# KiCad board 32X_VA2.kicad_pcb (continued)
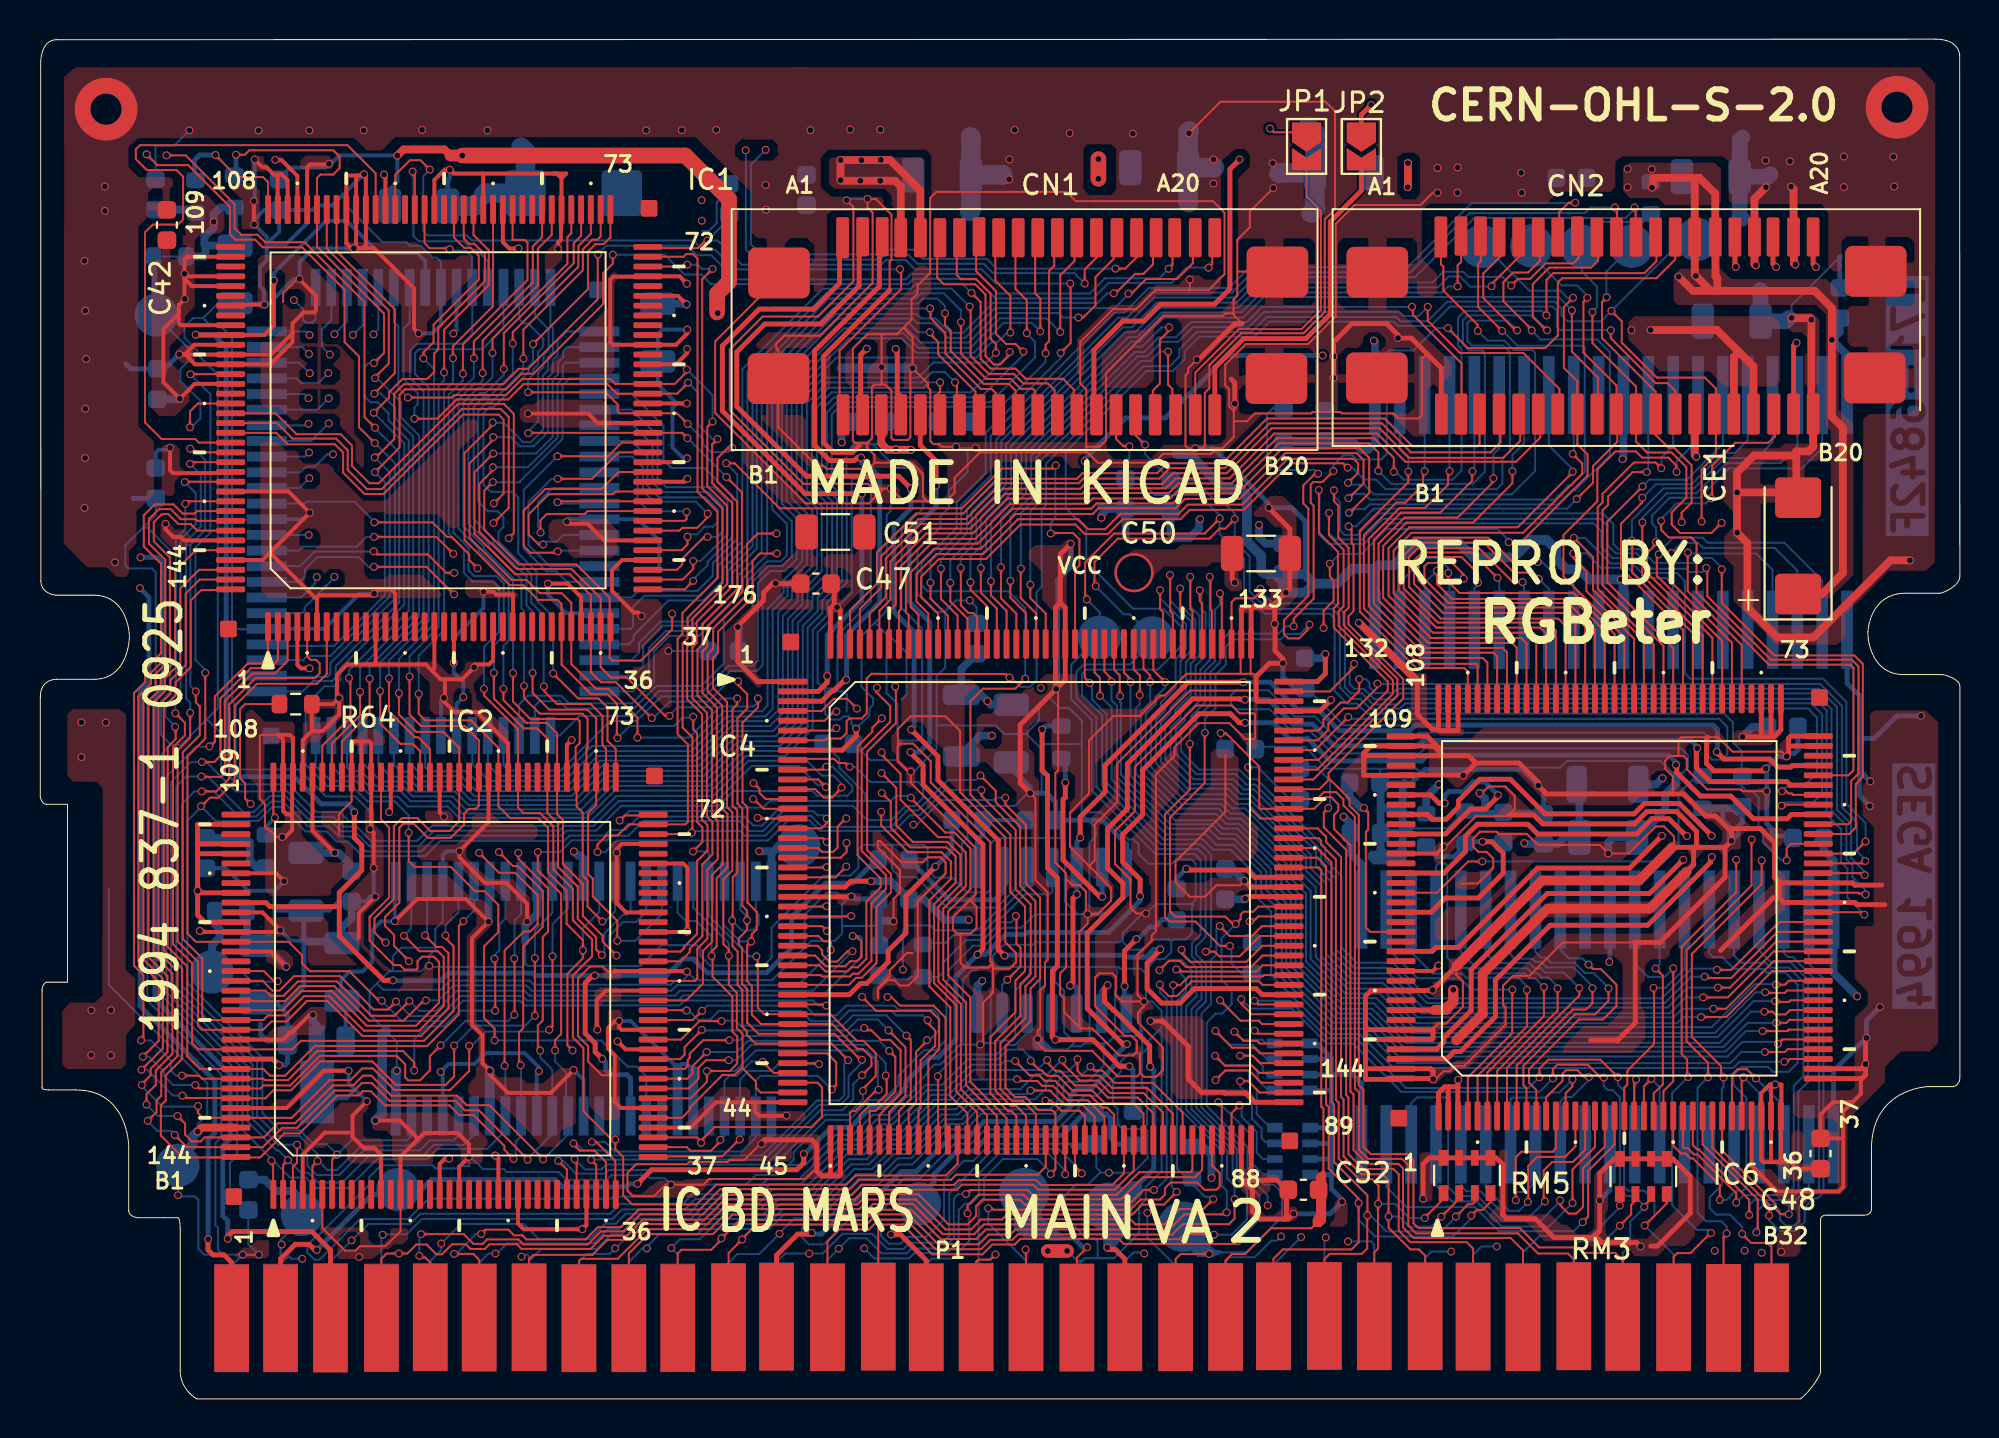
[diagram p0: board, top side]
## Routing (per net, layer and track width the routed paths; a pad name or vN(x,y) marks a point on that pad's centre or on a via; arc(x,y) is an arc through that point) (continued)
Net-(IC4B-AD11): length 50.9
  Top w0.1: IC4.146 55.45,37.12 55.78,36.79 v1(55.78,36.64) ; v1(88.78,19.22) 89.3,19.22 89.45,19.37 IC6.43
  Bottom w0.1: v1(88.78,19.22) 87.32,19.22 86.09,17.99 69.73,17.99 68.03,19.69 66.42,19.69 63.98,22.13 63.98,25.49 63.21,26.26 63.21,27.19 61.25,29.15 60.5,29.15 60.08,29.57 58.06,29.57 55.78,31.85 v1(55.78,36.64)
Net-(IC4B-AD12): length 51.3
  Top w0.1: IC6.42 89.42,18.87 89.42,18.87 89.35,18.8 v1(88.08,18.8) ; v1(55.25,35.92) 55.23,35.94 55.23,36.98 54.95,37.27 IC4.147
  Bottom w0.1: v1(55.25,35.92) 55.25,35.6 55.29,35.56 55.29,31.91 57.83,29.37 59.93,29.37 60.42,28.88 61.15,28.88 62.95,27.08 62.95,26.14 63.74,25.35 63.74,22 66.3,19.44 67.93,19.44 69.62,17.75 86.19,17.75 87.24,18.8 v1(88.08,18.8)
Net-(IC4B-AD13): length 51.8
  Top w0.1: IC6.41 89.09,18.37 v1(88.87,18.15) ; v1(54.81,36.65) 54.81,36.81 54.45,37.17 IC4.148
  Bottom w0.1: v1(88.87,18.15) 88.77,18.25 87.05,18.25 86.3,17.5 69.46,17.5 67.73,19.23 66.14,19.23 63.51,21.86 63.51,25.22 62.72,26.01 62.72,26.99 61.08,28.63 60.28,28.63 59.76,29.15 57.71,29.15 55.09,31.77 55.09,35.43 54.81,35.71 v1(54.81,36.65)
Net-(IC4B-AD14): length 52.2
  Top w0.1: IC6.40 89.36,17.87 89.22,17.73 v1(88.2,17.73) ; IC4.149 53.95,37.12 54.22,36.85 v1(54.22,35.93)
  Bottom w0.1: v1(54.22,35.93) 54.82,35.33 54.82,31.65 57.62,28.85 59.64,28.85 60.17,28.32 61.05,28.32 62.45,26.92 62.45,25.9 63.21,25.14 63.21,21.82 66.11,18.92 67.67,18.92 69.43,17.16 86.43,17.16 87,17.73 v1(88.2,17.73)
Net-(IC4B-AD15): length 52.7
  Top w0.1: v1(53.7,36.59) 53.45,36.84 IC4.150 ; IC6.39 89.49,17.37 89.35,17.23 v1(89.2,17.23)
  Bottom w0.1: v1(53.7,36.59) 53.81,36.48 53.81,35.75 54.56,35 54.56,31.5 57.47,28.59 59.48,28.59 60,28.07 60.9,28.07 62.19,26.78 62.19,25.68 62.96,24.91 62.96,21.66 65.97,18.65 67.49,18.65 69.23,16.91 86.59,16.91 86.91,17.23 v1(89.2,17.23)
Net-(IC4B-C23): length 43.2
  Top w0.1: IC6.56 92.99,25.87 93.04,25.82 93.31,25.82 v1(93.35,25.78) ; IC4.131 65.97,36.16 67.21,37.4 v1(67.21,37.57)
  Bottom w0.1: v1(93.35,25.78) 93.31,25.82 93.31,25.83 93.32,25.84 93.32,26.03 92.68,26.67 92.68,27.26 92.37,27.57 92.37,29.3 91.61,30.06 91.61,35.26 90.81,36.06 69.56,36.06 69.26,35.76 68.24,35.76 67.71,36.29 67.22,36.29 66.98,36.53 66.98,37.34 v1(67.21,37.57)
Net-(IC4B-DIR): length 41.1
  Top w0.1: v1(93.33,27.5) 93.21,27.37 IC6.59 ; IC4.126 65.35,33.66 65.89,34.2 65.89,34.5 66.68,35.29 67.33,35.29 68.4,36.36 v1(68.4,36.56)
  Bottom w0.1: v1(68.4,36.56) 68.42,36.54 91.03,36.54 92.14,35.43 92.14,30.24 92.91,29.47 92.91,27.99 93.33,27.56 v1(93.33,27.5)
Net-(IC4B-HINT): length 64.4
  Top w0.1: v1(86,42.4) 86,40.69 88.69,38 92.77,38 93.21,37.56 93.21,31.79 92.85,31.43 92.85,29.21 92.51,28.87 IC6.62 ; v1(66.18,46.44) 66.18,45.88 66.4,45.66 66.4,44.03 66.93,43.5 66.93,40.44 66.68,40.19 66.68,39.54 69.42,36.8 69.42,35.96 65.12,31.66 IC4.122
  Bottom w0.1: v1(66.18,46.44) 66.18,46.14 66.49,45.83 66.49,44.38 66.71,44.16 67.38,44.16 68.48,45.26 79.92,45.26 80.46,44.72 80.46,43.69 80.72,43.43 81.85,43.43 82.55,42.73 84.86,42.73 85.11,42.98 85.5,42.98 86,42.48 v1(86,42.4)
Net-(IC4B-RW): length 42.1
  Top w0.1: IC6.58 93.2,26.87 v1(93.31,26.77) ; IC4.127 65.38,34.16 65.64,34.42 65.64,34.71 66.52,35.59 66.87,35.59 67.47,36.19 v1(67.47,36.79)
  Bottom w0.1: v1(67.47,36.79) 67.81,36.79 68,36.6 68,36.36 68.28,36.08 69.19,36.08 69.41,36.3 90.95,36.3 91.89,35.36 91.89,30.12 92.61,29.4 92.61,27.64 93.31,26.94 v1(93.31,26.77)
Net-(IC4B-VACK): length 65.5
  Top w0.1: IC6.60 92.73,27.87 v1(93.35,28.49) ; v1(65.41,46.46) 65.41,44.27 66.38,43.3 66.38,40.62 66.17,40.41 66.17,39.42 68.93,36.66 68.93,36.2 65.39,32.66 IC4.124
  Bottom w0.1: v1(65.41,46.46) 65.44,46.43 65.44,44.15 65.89,43.7 67.72,43.7 68.77,44.75 79.44,44.75 79.85,44.34 79.85,43.54 80.42,42.97 81.55,42.97 82.31,42.21 83.71,42.21 84.12,41.8 84.12,37.07 84.38,36.81 91.18,36.81 92.37,35.62 92.37,30.42 93.35,29.44 v1(93.35,28.49)
Net-(IC4B-VINT): length 60.9
  Top w0.1: IC6.63 92.47,29.37 92.46,29.38 92.61,29.52 92.61,31.58 92.99,31.96 92.99,37.43 92.64,37.78 88.51,37.78 85.26,41.03 85.26,42.42 v1(85.21,42.47) ; v1(65.93,45.28) 65.92,45.27 65.92,44.15 66.67,43.4 66.67,40.51 66.42,40.26 66.42,39.51 69.19,36.74 69.19,36.04 65.31,32.16 IC4.123
  Bottom w0.1: v1(85.21,42.47) 85.01,42.27 84.33,42.27 84.17,42.43 82.43,42.43 81.64,43.22 80.58,43.22 80.15,43.65 80.15,44.63 79.8,44.98 68.68,44.98 67.63,43.93 66.24,43.93 65.93,44.24 v1(65.93,45.28)
Net-(IC6-COMP): length 9.8
  Top w0.1: v1(67.71,30.21) 67.93,29.99 67.93,29.1 67.81,28.98 67.81,24.09 68.03,23.87 IC6.129
  Bottom w0.4: v1(67.71,30.21) 67.53,30.21 66.98,30.77 C32.1
Net-(IC6-EA0): length 20.5
  Top w0.1: v1(81.95,46.64) 80.15,44.84 80.15,41.74 83.52,38.37 IC6.84
  Bottom w0.1: v1(81.95,46.64) 82.29,46.98 84.22,46.98 86.05,48.81 IC8.15
Net-(IC6-EA1): length 21
  Top w0.1: IC6.83 84.02,39.29 80.85,42.46 80.85,44.73 81.94,45.82 v1(81.94,46.06)
  Bottom w0.1: IC8.16 87.33,49 86.68,48.35 86.06,48.35 84.46,46.75 82.63,46.75 v1(81.94,46.06)
Net-(IC6-EA2): length 21.7
  Top w0.1: v1(81.41,43.87) 81.41,43.74 81.42,43.73 81.42,42.24 84.52,39.14 IC6.82
  Bottom w0.1: 88.6,51.31 88.6,48.89 87.79,48.09 86.14,48.09 84.59,46.54 83.03,46.54 81.41,44.92 v1(81.41,43.87)
Net-(IC6-EA3): length 22.6
  Top w0.1: IC6.81 85.02,39.01 81.94,42.09 v1(81.94,44.8)
  Bottom w0.1: IC8.18 89.86,48.7 89,47.83 86.24,47.83 84.7,46.29 83.19,46.29 81.94,45.04 v1(81.94,44.8)
Net-(IC6-EA4): length 23.9
  Top w0.1: IC6.80 85.52,38.9 82.18,42.24 82.18,43.22 82.64,43.68 v1(82.64,43.8)
  Bottom w0.1: 91.14,51.31 91.14,48.59 90.1,47.56 86.37,47.56 84.87,46.06 83.34,46.06 82.43,45.15 82.43,44.75 82.64,44.54 v1(82.64,43.8)
Net-(IC6-EA5): length 21
  Top w0.1: v1(82.78,43.17) 82.68,43.07 82.68,42.08 86.02,38.74 IC6.79
  Bottom w0.1: v1(82.78,43.17) 82.78,43.28 83.52,44.02 85.02,44.02 85.28,43.76 89.2,43.76 91.14,41.83 91.14,39.31
Net-(IC6-EA6): length 19
  Top w0.1: IC6.78 86.52,38.65 83.42,41.75 v1(83.42,43.23)
  Bottom w0.1: v1(83.42,43.23) 83.94,43.75 84.79,43.75 85.04,43.5 88.7,43.5 89.86,42.34 IC8.23
Net-(IC6-EA7): length 16.4
  Top w0.1: IC6.77 87.02,38.53 84.26,41.29 84.26,43.25 v1(84.27,43.26)
  Bottom w0.1: 88.6,39.31 88.6,42.38 87.76,43.21 84.32,43.21 v1(84.27,43.26)
Net-(IC6-IREF): length 19.4
  Top w0.1: IC6.125 71.44,25.87 73.04,27.47 v1(73.76,27.47)
  Bottom w0.1: 84.94,31.76 84.62,31.76 83.79,30.93 83.79,28.21 83.05,27.47 v1(73.76,27.47)
Net-(IC6-OA0): length 28.3
  Top w0.1: IC6.25 83.52,12.94 83.92,12.54 84.15,12.54 84.4,12.29 84.53,12.29 85.9,10.92 v1(85.9,10.17)
  Bottom w0.1: v1(85.9,10.17) 86.25,10.17 86.72,10.64 87.08,10.64 87.26,10.82 87.26,15.38 86.6,16.04 86.6,16.56 87.01,16.97 88.36,16.97 88.61,16.72 89.42,16.72 89.88,17.18 89.88,21.16 89.25,21.79 88.29,21.79 88.1,21.98 86.62,21.98 86.02,22.58 85.54,22.58 85.36,22.75 IC7.15
Net-(IC6-OA1): length 26.2
  Top w0.1: v1(86.74,10.03) 86.74,10.51 84.76,12.49 84.58,12.49 84.26,12.81 84.09,12.81 84.02,12.88 IC6.26
  Bottom w0.1: v1(86.74,10.03) 87.13,10.42 89.29,10.42 89.68,10.81 89.68,16 90.17,16.49 90.17,21.31 89.44,22.04 88.5,22.04 88.25,22.29 87,22.29 86.64,22.66 IC7.16
Net-(IC6-OA2): length 25.8
  Top w0.1: IC6.27 84.52,12.97 84.73,12.76 84.82,12.76 87.4,10.18 v1(87.4,9.39)
  Bottom w0.1: IC7.17 87.91,22.92 88.52,22.31 89.52,22.31 90.41,21.42 90.41,16.2 89.92,15.71 89.92,10.65 89.43,10.16 87.66,10.16 87.43,9.93 87.43,9.42 v1(87.4,9.39)
Net-(IC6-OA3): length 28.6
  Top w0.1: IC6.28 85.02,13.01 87.84,10.19 87.84,8.58 v1(87.77,8.51)
  Bottom w0.1: v1(87.77,8.51) 87.84,8.58 87.84,9.63 88.12,9.91 88.69,9.91 88.97,9.63 88.97,9.16 89.27,8.86 89.71,8.86 89.96,9.11 89.96,9.87 90.66,10.57 90.83,10.57 90.97,10.71 90.97,21.24 89.63,22.58 89.39,22.58 89.17,22.8 IC7.18
Net-(IC6-OA4): length 25.6
  Top w0.1: IC6.29 85.52,12.83 88.42,9.93 v1(88.42,9.37)
  Bottom w0.1: v1(88.42,9.37) 88.42,9.13 88.97,8.58 89.76,8.58 90.24,9.06 90.24,9.79 90.25,9.79 90.71,10.25 90.91,10.25 91.2,10.54 91.2,21.49 90.45,22.25 IC7.19
Net-(IC6-OA5): length 10.7
  Top w0.1: v1(89.43,9.44) 89.01,9.44 88.75,9.7 88.75,9.96 86.02,12.69 IC6.30
  Bottom w0.1: v1(89.43,9.44) 89.43,9.81 90.45,10.83 IC7.22
Net-(IC6-OA6): length 7.6
  Top w0.1: v1(87.75,16.38) 87.28,16.85 86.81,16.85 86.52,16.56 IC6.31
  Bottom w0.1: IC7.23 89.17,14.95 v1(87.75,16.38)
Net-(IC6-OA7): length 5.8
  Top w0.1: v1(87.11,16.44) 87.02,16.35 IC6.32
  Bottom w0.1: v1(87.11,16.44) 87.91,15.64 IC7.24
Net-(IC6-VREF): length 12.9
  Top w0.25: IC6.127 71.14,24.87 71.87,25.6 73.56,25.6 74.83,26.87 74.83,27.89 74.24,28.48 v1(73.77,28.48)
  Bottom w0.25: R7.1 71.43,27.71 72.31,27.71 72.9,28.3 R8.2 72.98,28.48 v1(73.77,28.48) 74.79,28.48 C33.1
Net-(IC6-~{ECAS}): length 15.4
  Top w0.1: v1(78.41,43.22) 78.41,42.98 79.08,42.31 79.08,41.29 81.52,38.85 IC6.88
  Bottom w0.1: v1(78.41,43.22) 79.08,43.22 79.82,42.48 81.2,42.48 82.24,41.44 IC8.29
Net-(IC6-~{ELWR}): length 19.5
  Top w0.1: v1(82.91,47.57) 82.62,47.86 81.51,47.86 79.91,46.26 79.91,45.82 79.66,45.57 79.66,41.42 82.52,38.56 IC6.86
  Bottom w0.1: IC8.13 83.52,48.7 82.91,48.1 v1(82.91,47.57)
Net-(IC6-~{EOE}): length 18.1
  Top w0.1: IC6.87 82.02,38.75 79.42,41.35 79.42,43.03 v1(78.44,44.01)
  Bottom w0.1: v1(78.44,44.01) 79.01,44.01 80.32,42.7 81.43,42.7 82.18,41.95 83.17,41.95 83.52,41.61 IC8.28
Net-(IC6-~{ERAS}): length 23.2
  Top w0.1: v1(83.69,47.38) 83.69,47.69 83.27,48.11 81.93,48.11 81.61,48.43 80.57,48.43 79.64,47.5 79.64,45.88 77.91,44.15 77.91,42.03 81.02,38.92 IC6.89
  Bottom w0.1: v1(83.69,47.38) 83.69,47.92 84.79,49.02 IC8.14
Net-(IC6-~{EUWR}): length 18.2
  Top w0.1: v1(82.17,47.37) 81.44,47.37 80.19,46.12 80.19,45.7 79.91,45.42 79.91,41.59 83.02,38.48 IC6.85
  Bottom w0.1: IC8.12 82.24,47.45 v1(82.17,47.37)
Net-(IC6-~{OCAS}): length 5.3
  Top w0.1: IC6.21 81.52,16.23 v1(81.62,16.33)
  Bottom w0.1: v1(81.62,16.33) 81.55,16.27 IC7.29
Net-(IC6-~{OLWR}): length 11
  Top w0.1: IC6.23 82.52,15.61 82.99,16.08 82.99,21.63 v1(82.62,22)
  Bottom w0.1: IC7.13 82.83,22.2 v1(82.62,22)
Net-(IC6-~{OOE}): length 5.6
  Top w0.1: IC6.22 82.02,15.97 v1(82.4,16.35)
  Bottom w0.1: v1(82.4,16.35) 82.83,15.92 IC7.28
Net-(IC6-~{ORAS}): length 12.2
  Top w0.1: IC6.20 81.02,15.91 81.17,16.06 81.17,16.77 82.54,18.14 82.54,20.98 v1(82.51,21.01)
  Bottom w0.1: 84.1,25.01 84.1,21.98 83.12,21.01 v1(82.51,21.01)
Net-(IC6-~{OUWR}): length 12.9
  Top w0.1: IC6.24 83.02,15.73 83.52,16.23 v1(83.52,22.01)
  Bottom w0.1: v1(83.52,22.01) 83.08,21.57 82.23,21.57 81.55,22.25 IC7.12
Net-(IC9-Pad4): length 9
  Bottom w0.1: 45.1,23.31 46.34,23.31 46.74,23.71 48.1,23.71 48.98,24.59 49.19,24.59 50.39,25.79 51.65,25.79 51.79,25.92 IC9.4
Net-(IC9-Pad6): length 9.6
  Top w0.25: v1(52.45,31.5) 52.45,30.75 52.33,30.63 52.33,27.55 54.22,25.66 v1(54.34,25.66)
  Bottom w0.25: v1(54.34,25.66) 54.34,25.84 54.33,25.84 IC9.6 ; v1(52.45,31.5) 52.45,32.53 R61.2
Net-(IC9-Pad11): length 25.6
  Top w0.25: v1(55.72,17) 55.22,17 53.86,18.36 v1(51.94,18.36) 51.79,18.51 51.79,21.87 52.04,22.12 52.04,26.63 51.54,27.13 51.54,31.85 51.26,32.13 v1(51.26,34.21)
  Bottom w0.25: v1(51.26,34.21) 51.43,34.39 R61.1 ; IC9.11 51.76,18.5 51.9,18.36 v1(51.94,18.36) ; v1(55.72,17) 55.91,16.81 R62.2

## Copper pours and planes (outline as drawn; the poured copper is in the pictures)
+3.3V on Top: 18.06,24.5 18.79,25.24 18.8,26.55 19.07,26.81 20.84,26.81 22,25.7 22.17,25.55 22.61,25.55 23.06,25.13 23.07,24.58 23.07,24.14 22.34,23.41 22.34,19.24 22.79,18.83 22.79,17.22 23.19,16.88 23.19,16.72 23.46,16.44 24.59,16.44 24.93,16.14 25.75,16.14 26.62,16.91 27.3,16.91 27.43,16.78 27.43,14.1 27.22,13.9 26.96,13.9 26.65,13.66 26.64,13.07 26.5,12.88 25.71,12.88 24.67,14.03 23.52,15.18 23.29,15.39 22.17,15.39 21.94,15.59 21.94,16.07 22.33,16.53 22.33,16.93 22.45,17.06 22.45,17.31 22.44,18.61 22.18,18.85 21.89,19.15 21.85,19.19 21.85,23.66 22.35,24.2 22.35,24.7 22.12,24.93 22.05,24.99 21.39,24.99 21.12,24.74 21.12,24.5 20.85,24.22 18.18,24.22 18.05,24.32 18.05,24.49
+3.3V on Bottom: 15.99,18.95 15.99,19.3 15.91,19.41 15.91,21.36 16.1,21.54 16.75,21.53 17.29,22.07 17.29,23.71 17.87,24.25 18.49,24.25 18.6,24.33 18.6,24.87 18.38,25.14 18.38,25.6 18.13,25.6 18.13,25.23 17.94,25.12 17.27,25.12 16.71,24.52 16.71,22.34 16.5,22.16 15.54,22.16 15.05,21.69 15.05,19.35 15.33,19.11 15.33,18.95
+5V on Top: 81.55,55.34 88.6,55.34 88.98,55 88.98,52.02 88.72,51.75 87.85,51.75 87.81,51.71 87.46,51.71 87.41,51.76 86.88,51.76 86.8,51.7 86.44,51.7 86.39,51.74 86.13,51.74 85.38,52.51 82.85,52.51 81.23,54.14 81.23,55.04
+5V on Bottom: 12.01,8.07 13.06,8.92 13.02,10.04 12.67,10.04 12.67,10.16 12.18,10.16 11.39,10.96 11.06,10.96 11.06,11.52 11.64,11.52 12.27,10.88 13.57,10.88 14.08,10.32 14.08,9.91 14.06,8.66 13.38,7.93 13.38,7.16 13.08,7.04 13.08,6.83 12.93,6.64 12.01,6.64
+5V on Bottom: 84.71,55.6 83.65,55.6 83.65,55.84 83.37,56.07 81.67,56.07 80.97,55.37 80.97,54.51 81.21,54.23 83.35,54.23 83.61,54.44 83.61,54.72 84.7,54.72
+5V on Bottom: 45.59,50.12 45.03,50.12 44.86,50.38 44.44,50.38 44.39,50.32 44.39,49.63 43.63,48.83 43.63,48.53 43.77,48.43 44.74,48.43 44.99,48.68 44.99,49.3 44.88,49.45 44.88,49.73 44.96,49.78 45.65,49.78
+5V on Bottom: 85.38,6.78 85.38,7.79 85.69,8.02 87.15,8.02 87.38,7.82 87.38,7.31 87.3,7.24 86.92,7.24 86.61,6.79
GND on Bottom (solid shape): 68.08,27.97 67.96,27.85 67.96,27.62 68.19,27.37 69.64,27.37 69.84,27.56 69.84,28.14 69.52,28.14 69.37,28 68.85,28 68.73,28.13 68.41,28.13 68.41,28 68.37,28 68.32,27.97
GND on Top: 58.1,26.6 58.29,26.39 59.62,26.39 59.93,26.64 61.68,26.64 62.29,26.16 62.1,25.99 61.42,25.99 61.07,25.67 61.07,25.21 60.83,24.96 58.35,24.96 58.1,25.22 58.1,26.33 58.08,26.36 58.08,26.6
GND on Top: 35.09,12.14 35.42,12.42 35.71,12.42 36.26,12.94 36.26,13.42 36.39,13.53 39.78,13.53 39.94,13.39 39.94,11.75 40.08,11.6 41.07,11.6 41.21,11.5 41.21,11.37 41.13,11.24 39.15,11.24 39.02,11.32 39.43,11.72 39.53,11.82 39.53,12.71 39.27,13 38.76,13 38.48,12.79 38.48,12.3 38.3,12.13 35.23,12.13
GND on Top: 69.05,50.37 69.98,50.37 70.29,50.66 70.29,51.86 70.22,51.93 62.16,51.93 62.16,52.37 70.2,52.37 70.28,52.42 70.28,53.43 70.01,53.72 69.34,53.72 69.02,53.38 68.29,53.38 68.82,53.84 68.82,54.17 68.47,54.52 67.98,54.52 67.67,54.25 67.67,54.01 67.41,53.72 66.8,53.72 66.41,53.36 65.24,53.36 64.93,53.71 61.5,53.71 61.32,53.57 61.32,52.31 61.36,52.25 61.43,52.25 61.49,52.32 61.92,52.32 61.92,51.82 61.56,51.83 61.3,51.5 60.66,51.5 60.52,51.66 58.33,51.66 58.1,51.91 58.1,52.6 58.39,52.9 58.39,54.95 58.1,55.25 57.56,55.25 56.97,54.71 56.97,52.08 56.58,51.68 54.41,51.68 54.29,51.77 54.3,53.32 55.63,54.64 56.58,54.64 57.47,55.52 60.39,55.52 61.12,56.28 61.19,56.28 61.19,56.09 61.37,55.91 64.99,55.91 65.3,56.17 66.22,56.17 66.77,55.68 69.42,55.68 72.18,52.98 72.18,52.35 71.81,51.97 71.81,51.33 71.49,51.33 71.49,51.67 71.32,51.84 71.23,51.84 70.95,51.58 70.95,49.44 70.75,49.19 70.23,49.19 69.05,50.36
GND on Top: 29.85,28.38 29.69,28.51 29.35,28.51 29.28,28.46 29.28,25.37 29.92,24.87 29.95,24.85 29.89,24.95 29.79,25.11 29.73,25.2 29.73,28.19 29.85,28.31
GND on Top: 74.1,9.26 74.1,9.41 74.76,10.07 74.89,10.07 74.89,9.58 75.05,9.43 77.25,9.43 77.82,8.9 78.08,8.9 78.59,8.42 79.12,8.42 79.48,8.7 79.48,11.49 80.17,12.12 80.24,12.12 80.24,11.96 80.18,11.89 80.18,9.64 80.06,9.49 80.06,8.48 80.31,8.2 82.17,8.2 83.78,9.78 83.78,12.16 85.13,10.82 85.13,9.16 84.64,8.7 84.64,8.34 84.13,7.81 83.23,7.81 82.73,7.29 81.56,7.29 81.17,7.79 79.27,7.79 79.02,8.05 76.96,8.05 76.01,9.03 74.32,9.03
GND on Top: 74.46,29.01 74.85,29.01 74.94,28.96 75.95,28.96 76.16,28.78 75.61,28.78 75.26,28.49 75.26,28.04 75.58,27.74 76.1,27.74 76.38,27.99 76.38,28.49 76.39,28.5 76.48,28.5 76.51,28.48 81.2,28.48 81.28,28.54 81.93,28.54 80.89,27.51 76.46,27.51 72.38,23.46 71.46,23.46 71.33,23.59 71.33,24.44 72.04,25.16 73.69,25.16 75.25,26.68 75.25,28.11 74.46,28.95
GND on Top: 53.68,61.53 54.79,61.53 55.05,61.82 55.05,63.88 61.13,63.88 60.4,63.26 60.4,60.89 60.3,60.79 53.68,60.79
GND on Top: 87.59,12.01 87.86,11.74 88.51,11.74 89.49,10.72 91.79,10.72 91.92,10.79 91.92,13.14 91.8,13.22 91.49,13.22 91.49,13.62 91.82,13.62 91.91,13.69 91.91,14.08 91.64,14.33 91.32,14.33 91.29,14.3 91.29,13.72 90.89,13.72 90.89,14.28 90.84,14.35 89.9,14.35 89.63,14.61 89.63,15.57 89.85,15.77 92.59,15.77 92.8,15.95 92.8,19.51 93.17,19.83 93.46,20.14 93.46,20.79 93.65,20.59 92.8,21.47 92.8,24.07 92.91,24.17 93.66,24.17 93.76,24.26 93.77,29.21 93.2,29.8 93.2,31.37 93.58,31.72 93.58,35 93.79,35.19 96.42,35.19 97.07,34.58 97.07,18.23 96.65,17.76 95.16,17.76 94.34,16.97 94.34,16.18 93.67,15.51 92.42,14.24 92.42,10.81 92.06,10.45 90.67,10.45 90.02,9.77 90.02,7.52 89.79,7.27 88.93,7.27 88.81,7.38 88.81,8.41 89.1,8.71 89.56,8.71 89.83,8.98 89.83,9.55 89.55,9.83 89.27,9.83 87.39,11.75 87.39,11.94
GND on Top: 53.24,23.93 53.24,24.79 53.5,25.06 53.5,25.44 53.85,25.13 54.47,25.13
GND on Top: 17.11,7.89 17.54,7.89 17.94,8.25 17.94,8.63 18.04,8.72 18.77,8.72 18.86,8.63 18.86,8.17 18.59,7.89 18.09,7.89 17.87,7.65 17.66,7.66 17.11,7.2
GND on Top: 14.34,8.77 16.52,8.77 16.83,8.54 16.83,8.15 17.11,7.89 17.11,7.15 15.25,7.15 15.25,7.74 15.46,7.74 15.6,7.61 16.15,7.61 16.41,7.87 16.41,8.27 16.16,8.54 15.61,8.54 15.35,8.3 15.35,7.75 15.25,7.75 15.25,7.83 14.34,8.62
GND on Top: 42.49,45.79 42.5,46.54 42.37,46.74 43.7,46.74 43.98,46.52 43.98,46.23 44.25,45.98 44.83,45.98 44.96,46.13 44.96,47.01 44.49,47.53 44.44,47.58 42.48,47.58 42.48,47.67 42.59,47.76 42.59,48.36 43.01,48.02 44.8,48.02 45.23,47.54 45.23,46.29 45.54,45.97 46.12,45.97 46.42,46.25 46.4,48.18 45.91,48.64 45.89,48.7 45.89,48.83 45.97,48.91 54.45,48.91 54.54,48.84 54.58,48.76 54.58,48.42 54.95,48.03 56.8,48.03 57.47,48.77 58.75,48.77 58.83,48.8 60.33,48.8 60.66,49.08 60.66,51.5 61.32,51.5 61.32,50.49 61.48,50.33 62,50.33 62.07,50.37 62.58,50.37 60.31,48.09 57.54,48.09 56.98,47.58 52.76,47.58 52.26,48.15 51.4,48.15 51.13,47.88 49.05,47.88 46.91,45.78 42.49,45.78
GND on Top: 46.33,26.98 45.76,26.39 45.6,26.39 44.72,25.5 44.72,23.62 43.82,22.74 43.82,22.23 43.94,22.32 44.23,22.32 44.57,21.99 44.57,21.71 44.26,21.4 43.88,21.4 43.55,21.77 43.55,21.98 43,21.42 43,21.35 42.59,20.95 42.59,20.42 42.68,20.31 42.91,20.31 42.99,20.41 42.99,20.87 43.27,21.12 43.78,21.12 44.07,20.87 44.07,20.61 44.31,20.39 45.43,20.39 45.51,20.48 45.51,20.59 45.14,20.95 45.14,25.53 46.33,26.73
GND on Top: 53.17,20.81 52.99,20.58 52.48,20.58 52.18,20.85 52.18,20.67 52.24,20.61 52.24,19.24 52.71,18.75 54.01,18.75 53.17,19.64
GND on Top: 29.54,44.43 29.02,44.96 26.31,44.96 26.04,44.71 26.04,44 26.28,43.73 26.76,43.73 27.05,43.47 27.05,43.22 27.31,42.99 29.28,42.99 29.54,43.26
GND on Top: 20,12 20.14,12.12 20.14,12.49 20.61,12.94 20.71,13.03 21.25,13.03 21.49,12.82 21.55,12.77 21.55,12.18 21.71,12.01 22.53,12.01 22.67,12.14 22.67,12.75 22.91,12.97 22.91,13.29 22.09,14.13 21.44,14.13 20.92,14.64 17.46,14.64 17.02,14.26 17.02,13.83 17.19,13.71 17.75,13.71 18.04,13.41 18.04,12.24 18.29,12
GND on Top: 71.23,12.39 71.1,12.6 70.71,12.6 70.55,12.49 70.55,10.13 70.66,10.02 70.84,10.02 71.21,10.17 71.21,12.22
GND on Top: 11.48,63.45 11.48,63.24 11.92,62.79 12.41,62.79 12.48,62.72 12.48,62.5 11.98,62.49 11.73,62.74 10.93,62.74 10.84,62.82 10.84,63.46 10.92,63.53 11.4,63.53
GND on Top: 74.32,27.31 73.96,26.93 72.97,26.93 72.36,26.35 72.36,26.25 72.57,26.04 73.34,26.04 74.32,26.98
GND on Top: 57.18,36.03 56.42,35.27 53.95,35.27 53.16,36.05 53.16,36.29 53.03,36.48 53.03,36.94 52.91,37.05 51.46,37.05 50.69,36.3 50.44,36.3 50.19,36.04 49.21,36.04 48.96,35.82 48.96,35.32 48.66,35.02 48.17,35.02 47.91,34.78 47.91,34.13 47.84,34.04 47.84,33.56 47.9,33.47 48.12,33.46 48.07,33.52 48.07,34.02 48.36,34.33 48.89,34.33 49.19,34.05 49.19,33.5 48.94,33.23 48.33,33.23 48.09,33.5 47.89,33.49 47.89,32.65 48.01,32.54 48.39,32.54 49.96,30.99 49.96,30.2 50.71,29.49 50.7,26.43 51.44,25.71 51.44,22.58 51.41,22.55 51.41,22.18 51.62,22.41 51.62,26.4 51.11,26.93 51.11,31.59 50.86,31.86 50.86,32.98 50.59,33.27 50.59,34.31 50.89,34.6 51.43,34.6 51.74,34.32 51.74,32.29 51.97,32.04 51.97,31.84 52.19,32.05 52.69,32.05 52.94,31.82 52.94,30.73 52.68,30.47 52.68,29.78 53.91,30.97 53.91,31.17 53.97,31.24 53.97,32.45 57.3,35.78 57.38,35.78 57.6,36.02 57.6,36.03
GND on Top: 96.14,68.06 96.91,67.23 96.89,43.26 96.89,42.77 96.44,42.33 94.53,42.33 92.32,40.08 92.32,38.96 91.91,38.55 88.8,38.55 88.8,39.55 91.07,39.55 93.19,41.65 93.23,50.07 93.53,50.34 95.55,50.34 95.88,50.63 95.88,51.68 95.04,51.68 95.04,52.66 95.77,52.66 95.84,52.74 95.84,53.64 95.7,53.81 94.47,53.81 94.4,53.75 94.4,53.25 93.45,53.27 93.45,53.71 93.39,53.77 92.65,53.77 92.42,54.03 92.42,55.71 92.59,55.86 93.4,55.86 93.5,55.93 93.5,56.53 94.4,56.53 94.4,55.95 94.49,55.87 95.68,55.87 95.85,56.04 95.85,57.09 95.76,57.17 95.07,57.17 95.07,58.08 95.76,58.08 95.84,58.16 95.84,59.1 95.58,59.39 94.41,59.39 94.37,59.35 94.37,58.52 93.54,58.52 93.49,58.84 93.49,59.33 93.42,59.41 92.4,59.41 92.13,59.17 92.13,57.85 91.99,57.63 91.72,57.63 91.44,57.89 91.44,60.63 91.11,61.07 86.58,61.07 86.36,61.25 86.36,63.23 86.09,63.5 80.88,63.5 80.56,63.23 80.56,61.96 80.32,61.7 77.68,61.7 77.03,61.09 71.04,61.09 70.67,60.75 70.26,61.29 70.57,61.55 70.57,63.46 70.29,63.7 69.73,63.7 69.42,63.45 69.42,61.63 69.69,61.32 71.05,61.32 71.04,61.09 70.67,60.75 70.67,59.11 70.42,59.11 70.17,59.33 68.95,59.33 68.87,59.28 68.87,54.56 67.94,54.56 67.94,59.26 67.89,59.34 66.64,59.34 66.38,59.06 66.38,50.49 65.21,50.49 65.21,59.04 64.96,59.32 63.67,59.32 63.6,59.25 63.6,51.11 62.65,51.12 62.65,59.2 62.58,59.3 61.51,59.3 61.28,59.13 61.28,62.37 61.88,62.99 61.88,63.59 61.62,63.88 55.05,63.88 54.79,64.13 53.6,64.13 53.38,63.91 53.38,61.83 53.68,61.53 53.68,60.79 45.57,60.79 45.57,61.38 45.6,61.49 45.6,63.56 45.33,63.84 40.33,63.84 39.89,63.38 37.74,63.67 37.74,64.11 37.5,64.36 35.95,64.36 38.4,68.06
GND on Top: 44.79,31.28 44.79,32.14 44.67,32.32 44.33,32.32 44.02,32.63 44.02,33.27 44.24,33.48 44.24,33.51 43.94,33.83 43.94,34.24 43.89,34.24 43.56,33.9 43.56,33.13 43.8,32.92 43.8,32.53 44.31,32.03 44.32,31.35 44.43,31.25 44.74,31.25
GND on Top: 83.17,31.01 83.4,31.21 83.4,31.8 84.83,30.39 86.34,30.39 87.56,29.19 87.56,29.08 87.3,29.08 86.98,28.8 86.98,28.18 86.89,28.07 85.88,28.07 85.73,28.22 85.73,28.25 86.02,28.48 86.02,29.02 85.51,29.53 85.28,29.53 84.73,30.1 84.62,30.1 83.9,30.84 83.17,30.84
GND on Top: 35.98,48.9 35.98,47.83 38.04,45.77 39.09,45.77 36.01,48.87
GND on Top: 13.07,33.51 13.07,34.44 12.95,34.62 11.53,34.62 10.91,35.24 10.78,35.24 10.55,35.03 10.55,31.91 11.14,31.31 11.14,30.67 11.49,30.33 11.49,29.18 11.56,29.12 11.55,25.98 11.82,25.7 14.78,25.71 14.92,25.79 14.92,26.05 16.04,27.16 16.04,28.19 15.58,28.65 15.14,28.65 15.63,28.2 15.63,27.67 15.4,27.41 14.85,27.41 13.47,28.76 13.42,28.81 13.41,29.94 13.3,30.06 12.57,30.06 12.57,29.43 12.33,29.19 11.8,29.19 11.58,29.38 11.58,30.45 11.52,30.51 11.52,33.42 11.67,33.53 13.02,33.52 13.03,33.51
GND on Top: 61.91,11.77 61.92,11.62 62.11,11.45 63.23,11.45 63.59,11.09 63.55,10.81 63.46,10.81 63.21,11.06 62.99,11.06 62.94,11 62.94,10.65 62.77,10.51 62.57,10.51 62.27,10.26 62.27,9.8 62.67,9.38 63.11,9.38 63.55,9.77 63.55,10.33 63.92,10.33 63.92,9.88 64,9.81 64.18,9.81 64.3,9.73 64.3,9.26 64.14,9.08 62.13,9.08 61.72,9.48 61.72,10.41 61.42,10.68 61.42,11.77
GND on Top: 77,25.17 77.29,25.44 82.68,25.44 82.68,25.14 82.14,24.61 76.92,24.61 76.92,25.09 77,25.09
GND on Top: 55,20.82 55.23,20.58 55.75,20.58 56.02,20.82 56.02,21.6 55.9,21.71 55.9,22.61 56.49,23.18 56.49,23.68 56.27,23.9 55.75,23.9 54.99,23.19 54.99,21.41 54.73,21.62 54.23,21.62 53.97,21.35 53.97,23.64 55.77,25.5 55.78,25.5 55.78,25.37 56.01,25.13 56.53,25.13 56.82,25.42 56.82,26.2 56.72,26.3 56.72,26.67 55.81,27.61 55.81,28.64 56.84,29.69 56.84,31.97 57.53,32.65 57.53,32.77 58.25,33.46 58.25,31.02 57.22,29.97 57.22,24.41 57.5,24.11 58.86,24.11 59.35,23.66 59.35,23.55 59.25,23.44 57.05,23.44 56.52,22.94 56.52,22.87 56.48,22.84 56.48,22.67 56.21,22.39 56.21,20.85 56.96,20.1 56.96,19.97 56.91,19.88 56.65,19.88 56.34,19.61 56.34,19.08 55.04,20.38 55.04,20.6 55,20.65
GND on Top: 67.9,33.11 67.9,31.09 67.59,30.75 67.49,30.75 66.61,31.68 66.61,32.03 67.69,33.11
GND on Top: 41.82,43.53 41.82,43.33 41.69,43.17 40.3,43.17 40.09,42.95 40.09,42.57 40.19,42.48 40.38,42.48 40.45,42.41 40.45,42.07 40.76,42.07 40.76,42.4 40.83,42.47 41.09,42.47 41.55,42.02 41.55,41.91 41.53,41.89 40.79,41.89 40.79,41.45 41.49,41.45 41.53,41.41 41.53,41.36 41.03,40.86 40.92,40.86 40.85,40.92 40.85,41.31 40.46,41.31 40.46,40.92 40.41,40.87 39.94,40.87 39.83,40.76 39.83,40.42 39.93,40.32 40.16,40.32 40.29,40.17 41.05,40.17 41.13,40.25 41.13,40.43 42.51,41.78 42.51,43.52
GND on Top: 11.3,48.8 11.44,48.91 12.16,48.91 12.6,48.47 13.1,48.47 13.27,48.3 13.27,48.09 13.53,47.81 14.78,47.8 15.07,47.54 15.07,47.4 14.26,47.4 14.12,47.54 13.45,47.54 13.31,47.44 13.31,46.78 13.54,46.51 14.06,46.51 14.36,46.77 14.36,47.28 14.27,47.39 14.25,47.41 15.07,47.41 16.56,45.92 17.71,45.92 21.83,50.06 22.3,50.06 22.43,49.95 22.43,49.45 21.44,48.47 21.45,44.63 21.32,44.51 21.01,44.51 20.36,45.21 17.76,45.21 17.66,45.32 16.88,45.32 16.62,45.11 16.63,42.15 16.88,41.91 17.64,41.91 17.89,42.13 19.56,42.13 20.18,41.52 20.55,41.18 20.55,41.03 20.42,40.93 15.39,40.93 15.39,41.49 15.46,41.49 15.62,41.65 15.62,42.16 15.38,42.41 14.85,42.41 14.64,42.23 14.64,41.61 14.76,41.49 15.39,41.49 15.41,40.93 14.47,40.93 14.47,41.49 14.56,41.6 14.56,42.2 14.4,42.39 13.81,42.39 13.57,42.17 13.57,41.65 13.77,41.45 14.41,41.45 14.47,41.49 14.47,40.93 11.73,40.92 11.34,41.3 11.34,43.79 13.3,43.79 13.3,43.68 13.57,43.42 14.08,43.42 14.38,43.69 14.37,44.2 14.12,44.47 13.6,44.47 13.3,44.22 13.3,43.79 11.34,43.79 11.3,46.39
GND on Top: 45.36,30.27 46.41,29.23 46.79,29.23 45.36,30.68
GND on Top: 86.06,27.18 85.62,26.71 85.39,26.71 82.44,23.78 77.59,23.78 75.31,21.59 75.17,21.44 78.33,21.43 78.56,21.66 78.56,22.4 78.85,22.71 80.38,22.71 80.93,22.23 80.93,19.89 80.14,19.08 78.95,19.08 77.88,18 77.88,17.77 77.96,17.68 81.37,17.68 82.09,18.41 82.09,19.81 81.86,20.05 81.86,21.19 82.08,21.4 82.08,22.14 82.38,22.47 83.12,22.47 83.35,22.68 83.35,22.96 86.44,25.98 86.44,26.73 86.22,27 86.21,27.18
GND on Top: 41.55,51.6 41.2,52.03 41.2,53.4 43.24,55.43 43.24,55.49 44.61,56.83 44.61,57.57 44.96,57.93 45.32,57.93 45.59,57.67 45.59,56.55 45,56.01 45,54.14 45.49,53.65 45.49,51.79 45.31,51.63 44.64,51.63 44.56,51.56 44.51,51.56 44.45,51.62 44.26,51.62 44.2,51.67 44.2,53 44.28,53.08 44.28,53.91 44.07,54.15 43.56,54.15 43.31,53.94 43.31,53.36 43.38,53.27 43.38,51.88 43.41,51.85 43.41,51.71 43.31,51.63 42.7,51.63 42.61,51.57 42.54,51.57 42.47,51.63 42.38,51.63 42.33,51.67 42.33,52.64 42.85,53.17 42.85,53.93 42.63,54.15 42.1,54.15 41.58,53.64 41.58,51.6
GND on Top: 37.18,50.29 37.18,53.64 37.14,53.68 36.75,53.68 36.63,53.8 36.63,53.91 37.23,54.51 40.08,54.51 39.88,54.32 39.87,54.32 39.23,53.71 38.16,53.71 38.1,53.66 38.1,50.29
GND on Top: 17.58,33.39 17.67,33.47 17.67,33.8 17.22,34.25 16.62,34.25 15.97,33.6 15.97,33.39
GND on Top: 14.54,30.05 15.58,30.05 15.58,28.61 15.18,28.61 14.4,29.45 14.4,29.92
GND on Top: 52.72,28.39 52.92,28.18 53.51,28.18 53.76,28.45 53.76,29.69 54.91,30.84 54.91,32.31 55.2,32.59 55.2,31.58 55.26,31.51 55.26,30.34 54.18,29.28 54.18,27.04 54.94,26.27 54.94,25.65 54.78,25.46 54.78,25.94 54.15,26.58 53.89,26.58 52.76,27.7 52.76,27.98 52.69,28.06 52.69,28.39
GND on Top: 90.48,51.66 90.23,51.89 90.23,53.32 90.38,53.52 90.38,54.22 90.09,54.52 89.6,54.52 89.35,54.78 89.35,55.36 89.5,55.49 90.65,55.49 90.99,55.16 90.99,51.94 90.69,51.66
